# Altium PCB cheriot-test.PcbDoc (part 9 of 12) (continued)
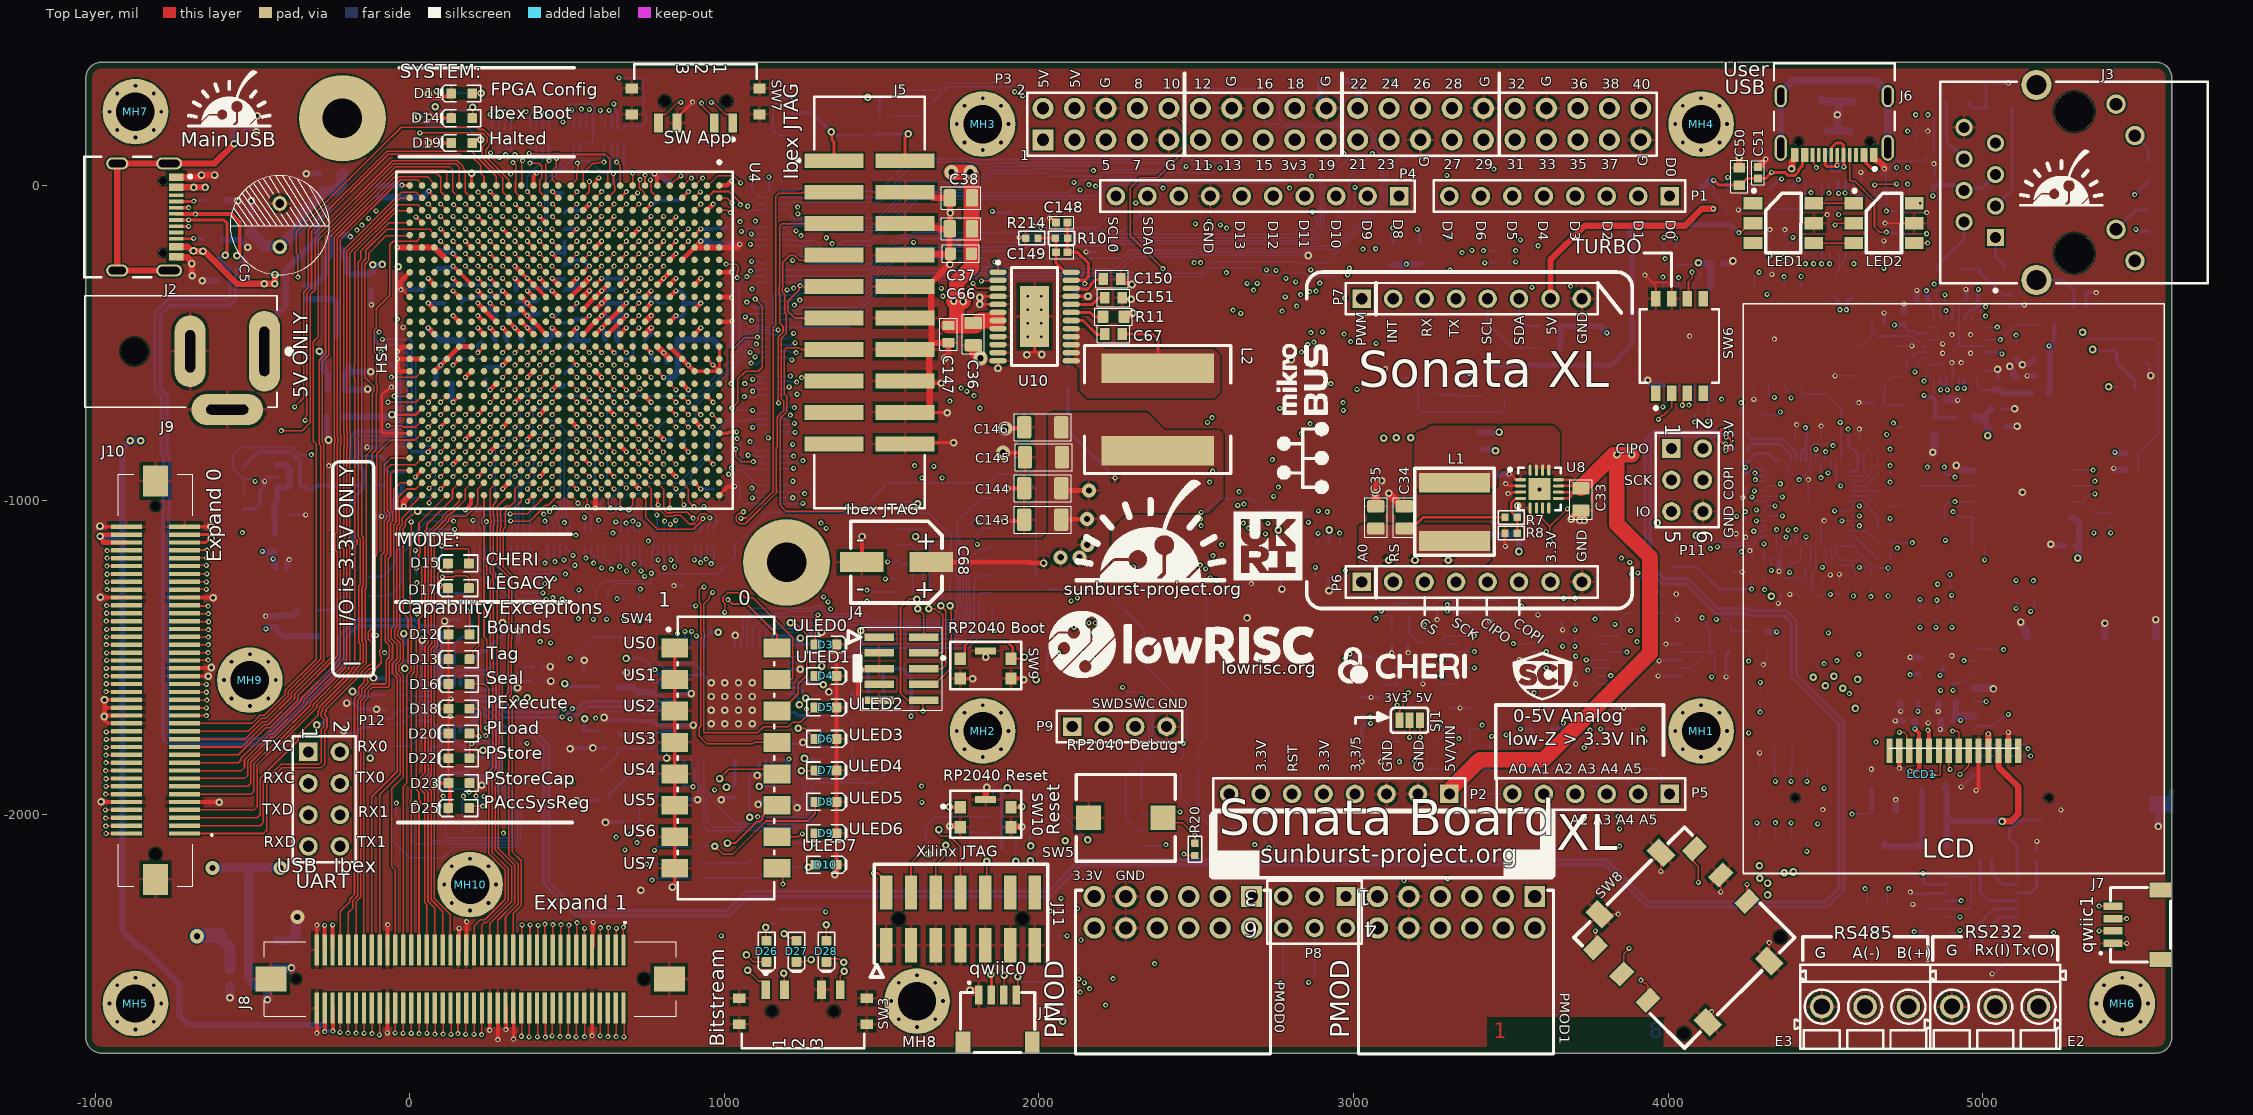
[diagram p0: Top Layer view]
## Nets (pads, with @x,y where several pads share a name; then routed paths per layer and width w, separated by ;. In a path a pad name is that pad's centre, name@x,y a point inside that pad or via, vN(x,y) a via of type N, cw(c..) or ccw(c..) an arc to the next point about the centre after c; other vN are vias at no path point) (continued)
  Bottom Layer w5: v1(1105,-482) 1107.25,-482 1113.01,-487.76 R172.4A@1131.85,-487.76
NetR173_1A: R173.1A U4.K21 | length 634.2
  Top Layer w5: U4.K21@629.92,-787.4 v1(649.61,-807.09)
  Int4 (Sign) w5: v1(649.61,-807.09) 673.48,-783.22 689,-783.22 705.46,-799.68 705.46,-806.12 727.34,-828 768.72,-828 791.59,-805.14 791.59,-800.67 840.04,-752.22 1007.78,-752.22 1020,-740 ; 1021,-741 1065,-697 1065,-672.78 v1(1063.61,-671.39) ; v1@1065,-671 v1@1068,-668
  Bottom Layer w5: v1(1063.61,-671.39) 1079.5,-671.39 1081.61,-673.5 1098.24,-673.5 1105.24,-666.5 R173.1A@1131.85,-666.5
NetR173_2A: R173.2A U4.J21 | length 908.5
  Top Layer w5: U4.J21@669.29,-787.4 v1(688.98,-807.09)
  Int4 (Sign) w5: v1(688.98,-807.09) v1@689.94,-808.06 ; v1@690,-808.06 690,-808.11 709,-827.11 709,-849.03 724.19,-864.22 728.66,-864.22 743.85,-879.41 743.85,-892.25 743.28,-892.81 743.28,-904.07 746.21,-907 813,-907 ; 813,-908 826.52,-921.52 826.52,-927.18 848.41,-949.07 852.88,-949.07 868.81,-965 902.84,-965 918.78,-949.07 931.62,-949.07 947.55,-965 1005.87,-965 1017.34,-953.53 1017.34,-949.71 1026.42,-940.63 1030.23,-940.63 1040.5,-930.37 1040.5,-920.35 1042.23,-918.62 1042.23,-870.84 1061.5,-851.56 1061.5,-849.82 1071.82,-839.5 1117.5,-839.5 1122,-835 1122,-779 ; v1(1090,-654) 1103.05,-667.05 1112.05,-667.05 1123,-678 1123,-779
  Bottom Layer w5: v1(1090,-654) 1090,-650 1093.19,-646.81 R173.2A@1131.85,-646.81
NetR173_3A: R173.3A U4.H21 | length 513
  Top Layer w5: U4.H21@708.66,-787.4 v1(728.35,-807.09)
  Int4 (Sign) w5: v1@731,-809 731,-804.43 746.72,-788.72 768.64,-788.72 830.96,-726.4 830.96,-721.93 848.41,-704.48 895.67,-704.48 935.04,-665.11 1029.89,-665.11 v1(1065,-630)
  Bottom Layer w5: v1(1065,-630) 1069.5,-634.5 1098.08,-634.5 1105.45,-627.13 R173.3A@1131.85,-627.13
NetR173_4A: R173.4A U4.H22 | length 697.7
  Top Layer w5: U4.H22@708.66,-826.77 v1(728.35,-846.46)
  Int4 (Sign) w5: v1(728.35,-846.46) 744.48,-862.59 813.14,-862.59 815.4,-860.33 877.78,-860.33 879.41,-861.96 892.25,-861.96 893.88,-860.33 1038.59,-860.33 1051.5,-847.42 1051.5,-845.68 1067.68,-829.5 1089.5,-829.5 1105.5,-813.5 1105.5,-775.56 1105.76,-775.3 1105.76,-762.46 1105.5,-762.2 1105.5,-691.42 1076.54,-662.46 ; 1076.57,-662.43 1073,-658.86 1073,-644.98 1080.5,-637.48 1080.5,-627.42 1090,-617.92 v1(1090,-616.5)
  Bottom Layer w5: v1(1090,-616.5) 1092.98,-616.5 1102.04,-607.44 R173.4A@1131.85,-607.44
NetR174_1A: R174.1A U4.G22 | length 493.1
  Top Layer w5: U4.G22@748.03,-826.77 v1(767.72,-846.46)
  Int4 (Sign) w5: v1(767.72,-846.46) 785.43,-846.46 809.3,-822.59 855.27,-822.59 878.86,-799 1003.46,-799 1007.36,-802.9 1039.45,-802.9 v1(1040.78,-804.24)
  Bottom Layer w5: v1(1040.78,-804.24) 1040.78,-804.73 1051.5,-815.44 1051.5,-881.5 1071.5,-901.5 R174.1A@1131.85,-901.5
NetR174_2A: R174.2A U4.H23 | length 496.6
  Top Layer w5: U4.H23@708.66,-866.14 v1(728.35,-885.83) ; v1@1038,-840 1036,-842 1036,-861 1052.9,-877.9 v1(1092.1,-877.9)
  Int1 (Sign) w5: v1(728.35,-885.83) 745.8,-885.83 761.3,-901.33 975.67,-901.33 1024.95,-852.05 1024.95,-848.7 v1(1036,-837.65)
  Bottom Layer w5: v1(1092.1,-877.9) 1093.52,-879.31 1107.6,-879.31 1110.1,-881.81 R174.2A@1131.85,-881.81
NetR174_3A: R174.3A U4.J23 | length 618
  Top Layer w5: U4.J23@669.29,-866.14 v1(688.98,-885.83)
  Int4 (Sign) w5: v1@692,-885 692,-888.85 708.6,-905.45 730.52,-905.45 748.03,-922.96 748.03,-927.43 761.3,-940.7 766,-940.7 ; 766,-941 800.97,-941 840.04,-980.07 852.88,-980.07 853.44,-979.5 918.21,-979.5 918.78,-980.07 931.62,-980.07 932.18,-979.5 1042.5,-979.5 1050.5,-971.5 1050.5,-924.49 1075.87,-899.12 v1(1075.87,-857.37)
  Bottom Layer w5: v1(1075.87,-857.37) 1076.95,-856.29 1093.87,-856.29 1099.7,-862.13 R174.3A@1131.85,-862.13
NetR174_4A: R174.4A U4.F22 | length 383.8
  Top Layer w5: U4.F22@787.03,-827.4 v1(806.72,-847.09)
  Int4 (Sign) w5: v1@808,-846 811,-849 843,-849 872.26,-819.74 1047.2,-819.74 1052.94,-814 v1(1081.78,-814)
  Bottom Layer w5: v1(1081.78,-814) 1081.78,-816.94 1091.27,-826.43 1091.27,-831.27 1102.44,-842.44 R174.4A@1131.85,-842.44
NetR175_1A: R175.1A U4.N16 | length 597.2
  Top Layer w5: U4.N16@511.81,-590.55 v1(531.5,-610.24)
  Int6 (Sign) w5: v1(430,-1067) 430,-1065.41 443.16,-1052.25 451.91,-1052.25 456.66,-1047.5 465.42,-1047.5 481.46,-1031.46 495.82,-1031.46 501,-1026.28 501,-617 507.76,-610.24 530.24,-610.24 v1@531,-611
  Bottom Layer w5: v1(430,-1067) 430,-1069.98 437.93,-1077.91 437.93,-1101.71 R175.1A@438.07,-1101.85
NetR175_2A: R175.2A U4.R14 | length 718
  Top Layer w5: v1(413.39,-531.5) U4.R14@433.07,-511.81
  Int6 (Sign) w5: v1(413.39,-531.5) 393,-551.88 393,-583 401,-591 465,-591 478.26,-604.26 478.26,-975.13 433.83,-1019.56 433.83,-1026.14 429.63,-1030.33 429.63,-1031.37 427.8,-1033.2 427.8,-1042.6 v1(425.69,-1044.71)
  Bottom Layer w5: v1(425.69,-1044.71) 428.67,-1044.71 435.46,-1051.5 436.42,-1051.5 451.28,-1066.36 453.3,-1066.36 457.76,-1070.82 R175.2A@457.76,-1101.85
NetR175_3A: R175.3A U4.P18 | length 573.5
  Top Layer w5: v1(452.76,-688.98) U4.P18@472.44,-669.29
  Bottom Layer w5: v1(452.76,-688.98) 432.73,-709 398,-709 392,-715 392,-782 400.5,-790.5 472.5,-790.5 478,-796 478,-1021 ; 476.5,-1021 476.5,-1029.42 474.5,-1031.42 474.5,-1038.42 471.1,-1041.82 471.1,-1045.98 465.5,-1051.58 465.5,-1064.42 472.71,-1071.64 472.71,-1073.92 477.44,-1078.65 R175.3A@477.44,-1101.85
NetR175_4A: R175.4A U4.M24 | length 260.1
  Top Layer w5: U4.M24@551.18,-905.51 v1(570.87,-925.2)
  Bottom Layer w5: R175.4A@497.13,-1101.85 497.13,-1094.96 507.42,-1084.67 507.42,-1064.68 503.57,-1060.83 503.57,-1058.65 498,-1053.08 498,-1028.7 502.44,-1024.26 502.44,-964.09 521.65,-944.88 551.18,-944.88 v1(570.87,-925.2)
NetR176_1A: R176.1A U4.E23 | length 411.9
  Top Layer w5: U4.E23@826.77,-866.14 v1(846.46,-885.83)
  Int4 (Sign) w5: v1(846.46,-885.83) 896.63,-936 1004.03,-936 1011.5,-928.53 1011.5,-919.89 v1(1013.6,-917.79)
  Bottom Layer w5: v1(1013.6,-917.79) 1013.6,-917.9 1036.34,-940.63 1039.26,-940.63 1048.34,-949.71 1048.34,-952.64 1049.5,-953.8 1049.5,-961.5 1050,-962 1050,-996 1066.13,-1012.13 R176.1A@1131.85,-1012.13
NetR176_2A: R176.2A U4.H24 | length 460.6
  Top Layer w5: U4.H24@708.66,-905.51 v1(728.35,-925.2)
  Int4 (Sign) w5: v1(728.35,-925.2) 766.15,-963 806.14,-963 815.14,-972 817.83,-972 835.89,-990.07 857.02,-990.07 857.59,-989.5 914.07,-989.5 914.63,-990.07 935.76,-990.07 936.33,-989.5 1070.96,-989.5 1073.46,-992 1088,-992 v1(1088.96,-992.96)
  Bottom Layer w5: v1(1088.96,-992.96) 1089.48,-992.44 R176.2A@1131.85,-992.44
NetR176_3A: R176.3A U4.J24 | length 578.5
  Top Layer w5: U4.J24@669.29,-905.51 v1(688.98,-925.2)
  Int4 (Sign) w5: v1(688.98,-925.2) 711.38,-947.6 736.61,-947.6 762,-973 802,-973 811,-982 813.69,-982 831.75,-1000.07 863.01,-1000.07 863.58,-999.5 909.93,-999.5 910.49,-1000.07 988.17,-1000.07 988.74,-999.5 1058.58,-999.5 1064.08,-1005 1079.08,-1005 1082.54,-1008.46 1095.38,-1008.46 1104.46,-999.38 1104.46,-972.62 1100.09,-968.25 1097.27,-968.25 1090.98,-961.96 v1(1088,-961.96)
  Bottom Layer w5: v1(1088,-961.96) 1090.26,-961.96 1100.09,-971.79 1103.63,-971.79 1104.6,-972.76 R176.3A@1131.85,-972.76
NetR176_4A: R176.4A U4.F23 | length 394.6
  Top Layer w5: U4.F23@787.4,-866.14 v1(807.09,-885.83)
  Int4 (Sign) w5: v1(807.09,-885.83) 809.35,-885.83 819.18,-876 834.36,-876 840.04,-870.33 873.63,-870.33 875.26,-871.96 896.39,-871.96 898.02,-870.33 988.33,-870.33 1006.72,-888.72 1010.25,-888.72 1020.18,-898.65 v1(1022.24,-898.65)
  Bottom Layer w5: v1(1022.24,-898.65) 1024.35,-900.75 1035.5,-900.75 1040.24,-905.5 1057.24,-905.5 1104.81,-953.07 R176.4A@1131.85,-953.07
NetR177_1A: R177.1A U4.L22 | length 1362.6
  Top Layer w5: U4.L22@590.55,-826.77 v1(610.24,-846.46)
  Int4 (Sign) w5: v1(610.24,-846.46) 632,-824.69 632,-763.4 643.19,-752.22 769.07,-752.22 820,-701.29 820,-694 ; 819.88,-694 819.88,-654.27 847.78,-626.37 1003.71,-626.37 1015.58,-614.5 1044.44,-614.5 1057.94,-601 1067.94,-601 1077.94,-591 1108.14,-591 1116.07,-583.08 1116.07,-571.21 1134.14,-553.14 ; v1(1049.99,-115) 1035,-130 1035,-179.08 1033.5,-180.58 1033.5,-193.42 1042.58,-202.5 1052.5,-202.5 1065,-215 1114,-215 1114,-296.32 1134,-316.32 1134,-553
  Bottom Layer w5: v1(1049.99,-115) 1087.87,-77.13 R177.1A@1132.13,-77.13
NetR177_2A: R177.2A U4.N14 | length 999.9
  Top Layer w5: U4.N14@511.81,-511.81 v1(531.5,-531.5)
  Int4 (Sign) w5: v1@530,-531 530,-530 518,-518 518,-504.14 533.89,-488.26 546.2,-488.26 566.2,-468.26 589.67,-468.26 599.67,-478.26 620.8,-478.26 622.05,-477 677.16,-477 678.41,-478.26 778.28,-478.26 779.53,-477 833.05,-477 881.96,-428.09 881.96,-427.19 907.5,-401.64 936.36,-401.64 966,-372 966,-263 1011,-218 1011,-117.86 1044.86,-84 1056,-84 v1(1074,-66)
  Bottom Layer w5: v1(1074,-66) 1074,-63.02 1083.18,-53.85 1083.18,-53.67 1087.69,-49.16 1092.53,-49.16 1100.81,-57.44 R177.2A@1132.13,-57.44
NetR177_3A: R177.3A U4.P14 | length 1192.8
  Top Layer w5: v1(452.76,-531.5) U4.P14@472.44,-511.81
  Int4 (Sign) w5: v1(452.76,-531.5) 469,-515.25 469,-472.32 499.32,-442 506.19,-442 591.19,-357 809,-357 827,-339 827,-102 830.5,-98.5 830.5,-93.58 839.58,-84.5 844.5,-84.5 852,-77 852,-15 864,-3 ; 864.58,-2.74 875.32,8 941.46,8 963.96,30.5 1045.8,30.5 1052.8,23.5 v1(1085,23.5)
  Bottom Layer w5: v1(1085,23.5) 1086.61,21.89 1086.61,-15.75 1108.62,-37.76 R177.3A@1132.13,-37.76
NetR177_4A: R177.4A U4.P16 | length 1342
  Top Layer w5: v1(452.76,-610.24) U4.P16@472.44,-590.55
  Int4 (Sign) w5: v1(452.76,-610.24) 452.76,-592.79 435,-575.03 435,-492 459,-468 ; 459.09,-468.09 522.56,-404.62 522.81,-404.62 586.37,-341.07 586.37,-336.6 610.96,-312 774,-312 785,-301 785,-91 801,-75 818,-75 ; 818,-74 820,-74 829,-65 829,-13.5 843,0.5 843,52 852,61 1108,61 v1(1142,27)
  Bottom Layer w5: R177.4A@1132.13,-18.07 1138.59,-18.07 1142,-14.67 v1(1142,27)
NetR178_1A: R178.1A U4.R1 | length 137.4
  Top Layer w5: U4.R1@433.07,0 433.07,66.66 442.91,76.5 v1(442.91,78.74)
  Bottom Layer w8: R178.1A@441.81,132.87 441.81,79.84 v1(442.91,78.74)
NetR178_2A: R178.2A U4.T2 | length 201.6
  Top Layer w5: v1(374.02,-19.69) U4.T2@393.7,-39.37
  Bottom Layer w5: v1(374.02,-19.69) 374.02,29.53 388.04,43.56 388.04,45.79 397.12,54.87 399.36,54.87 422.13,77.64 R178.2A@422.13,132.87
NetR178_3A: R178.3A U4.R2 | length 224.4
  Top Layer w5: v1(382,71) 410,71 420,61 420,23.96 413.39,17.35 413.39,-19.69 U4.R2@433.07,-39.37
  Bottom Layer w5: v1(382,71) 383.18,71 402.44,90.27 R178.3A@402.44,132.87
NetR178_4A: R178.4A U4.K1 | length 385.8
  Top Layer w5: v1(379.47,102) 380.55,100.93 394.97,100.93 397.47,98.43 456.5,98.43 459.58,101.5 472.42,101.5 475.5,98.43 622.31,98.43 635.58,85.16 635.58,47.92 629.92,42.27 U4.K1@629.92,0
  Bottom Layer w5: v1(379.47,102) 379.47,104.98 383.31,108.81 383.31,132.32 R178.4A@382.76,132.87
NetR179_1A: R179.1A U4.N19 | length 966.7
  Top Layer w5: U4.N19@511.81,-708.66 v1(531.5,-728.35)
  Int1 (Sign) w5: v1(531.5,-728.35) 547,-712.85 573.15,-712.85 591,-695 591,-599.93 603.93,-587 991.72,-587 1008.72,-570 1032,-570 1047,-555 1047,-373.14 1088.17,-331.97 v1(1088.17,-329.31)
  Bottom Layer w5: v1(1088.17,-329.31) 1110.35,-307.13 R179.1A@1132.13,-307.13
NetR179_2A: R179.2A U4.R21 | length 1306.1
  Top Layer w5: v1(413.39,-807.09) U4.R21@433.07,-787.4
  Bottom Layer w5: v1(413.39,-807.09) 392.47,-828 363,-828 351,-816 351,-680 362,-669 907.63,-669 1046.82,-529.81 1046.82,-314.32 1071,-290.15 v1@1071,-290 ; v1@1073.7,-287.44 R179.2A@1132.13,-287.44
  other v1: 1071.65,-289.5
NetR179_3A: R179.3A U4.M21 | length 1084.4
  Top Layer w5: U4.M21@551.18,-787.4 v1(570.87,-807.09)
  Int4 (Sign) w5: v1(570.87,-807.09) 570.87,-789.64 592.58,-767.92 592.58,-763.45 606.92,-749.11 611.39,-749.11 633.97,-726.53 633.97,-722.06 651.49,-704.55 707.85,-704.55 716.15,-712.85 787.07,-712.85 807,-692.92 807,-653 844,-616 866.61,-616 866.98,-616.37 993.92,-616.37 999.28,-611 1004.28,-611 1014.28,-601 1043.8,-601 1053.8,-591 1063.1,-591 1073.1,-581 1104,-581 1106.07,-578.93 1106.07,-567.07 1123.93,-549.21 1123.93,-320.39 1092.44,-288.9 1092.44,-283.37 1083.97,-274.9 v1(1083.97,-271.92)
  Bottom Layer w5: v1(1083.97,-271.92) 1107.08,-271.92 1111.24,-267.76 R179.3A@1132.13,-267.76
NetR179_4A: R179.4A U4.P23 | length 1225.2
  Top Layer w5: v1(452.76,-885.83) U4.P23@472.44,-866.14
  Int4 (Sign) w5: v1(452.76,-885.83) 475.79,-862.79 ; 475,-862 498.14,-838.86 498.14,-607.53 516,-589.67 516,-564.45 533.45,-547 537.92,-547 548.46,-536.45 548.46,-506 ; 549,-506 566.74,-488.26 624.94,-488.26 626.2,-487 673.02,-487 674.27,-488.26 782.42,-488.26 783.68,-487 837.28,-487 839.28,-485 926.86,-485 954,-457.86 954,-457 976,-435 976,-301.29 1017.42,-259.87 1030.75,-259.87 1049.7,-240.92 v1(1086.61,-240.92)
  Bottom Layer w5: v1(1086.61,-240.92) 1086.92,-241.23 1107.23,-241.23 1114.07,-248.07 R179.4A@1132.13,-248.07
NetR180_1A: R180.1A U4.L2 | length 216.9
  Top Layer w5: U4.L2@590.55,-39.37 v1(610.24,-19.69)
  Bottom Layer w5: v1(610.24,-19.69) 632.88,2.96 644.96,2.96 681.18,39.18 R180.1A@681.18,132.87
NetR180_2A: R180.2A U4.J1 | length 139.1
  Top Layer w5: v1(657.93,74.5) 669.29,63.14 U4.J1@669.29,0
  Bottom Layer w5: v1(657.93,74.5) 657.97,74.54 657.97,93.86 660.47,96.36 660.47,131.85 R180.2A@661.5,132.87
NetR180_3A: R180.3A U4.N1 | length 297.1
  Top Layer w5: U4.N1@511.81,0 531.5,19.68 531.5,49.21 535.21,52.93 535.21,57.07 534.96,57.33 534.96,68.83 v1(532.85,70.93)
  Bottom Layer w5: v1(532.85,70.93) 535.83,70.93 543.64,78.74 571.92,78.74 613.66,37 624.91,37 640,52.09 640,89.84 641.81,91.65 R180.3A@641.81,132.87
NetR180_4A: R180.4A U4.M1 | length 180.1
  Top Layer w5: U4.M1@551.18,0 551.18,39.18 583,71 598.93,71 601.43,73.5 615.93,73.5 v1(616.93,74.5)
  Bottom Layer w5: v1(616.93,74.5) 616.93,96.83 619.1,99 619.1,129.85 R180.4A@622.13,132.87
NetR181_1A: R181.1A U4.T22 | length 418.7
  Top Layer w5: v1(374.02,-846.46) U4.T22@393.7,-826.77
  Int6 (Sign) w5: v1(201.5,-1064.48) 200,-1062.98 200,-1044 220,-1024 326,-1024 354,-996 354,-866.47 v1(374.02,-846.46)
  Bottom Layer w5: v1(201.5,-1064.48) 202.29,-1065.27 202.29,-1101.07 R181.1A@203.07,-1101.85
NetR181_2A: R181.2A U4.R26 | length 302.5
  Top Layer w5: v1@321,-1045 322,-1044 373.32,-1044 U4.R26@433.07,-984.25 413.39,-1003.94
  Bottom Layer w5: R181.2A@223,-1096 223,-1062 239,-1046 317,-1046 v1(319,-1044)
NetR181_3A: R181.3A U4.R17 | length 689.8
  Top Layer w5: v1(413.39,-649.61) U4.R17@433.07,-629.92
  Int6 (Sign) w5: v1@244,-1069 244,-1101 254,-1111 344,-1111 388.39,-1066.61 388.39,-1031.81 396,-1024.2 396,-666.99 411.39,-651.6 411.39,-649.61 v1(413.39,-649.61)
  Bottom Layer w5: R181.3A@242.44,-1101.85 242.44,-1069.56 v1(244,-1068)
NetR181_4A: R181.4A U4.P26 | length 277.7
  Top Layer w5: v1(320.89,-1066) 321.89,-1067 382.08,-1067 410.19,-1038.88 410.19,-1038.29 431.85,-1016.63 435.64,-1016.63 ; 435.67,-1016.6 440.09,-1016.6 U4.P26@472.44,-984.25
  Bottom Layer w5: R181.4A@262.13,-1101.85 262.13,-1072.02 268.14,-1066 v1(320.89,-1066)
NetR182_1A: R182.1A U4.N22 | length 1004
  Top Layer w5: U4.N22@511.81,-826.77 v1(531.5,-846.46)
  Int4 (Sign) w5: v1@530,-849 530,-844.96 508.23,-823.2 508.23,-611.58 528.16,-591.65 532.63,-591.65 552.72,-571.56 552.72,-567.09 572.82,-547 577.29,-547 591,-533.28 591,-501.18 593.93,-498.26 629.08,-498.26 630.34,-497 668.87,-497 670.13,-498.26 786.56,-498.26 787.82,-497 929,-497 965,-461 1066.56,-461 1084.45,-443.11 1084.45,-431.24 v1(1086.55,-429.13)
  Bottom Layer w5: v1(1086.55,-429.13) 1088.56,-427.13 R182.1A@1132.13,-427.13
NetR182_2A: R182.2A U4.L25 | length 979.6
  Top Layer w5: U4.L25@590.55,-944.88 v1(610.24,-964.57)
  Bottom Layer w5: v1@613.83,-965.83 613.83,-960.97 628,-946.8 628,-719 640,-707 889.72,-707 901.33,-695.4 901.33,-694.53 1056.82,-539.04 1056.82,-429.14 1066.93,-419.03 v1(1066.93,-417.32) 1076.81,-407.44 R182.2A@1132.13,-407.44
NetR182_3A: R182.3A U4.M20 | length 947.5
  Top Layer w5: U4.M20@551.18,-748.03 v1(570.87,-767.72)
  Int4 (Sign) w5: v1(570.87,-767.72) 590,-748.58 590,-603 602.5,-590.5 ; 603,-591 711.52,-591 717.78,-584.74 757.15,-584.74 778.89,-563 786.67,-563 792.67,-557 817.65,-557 851.65,-523 1012.34,-523 1039.34,-496 1053.48,-496 1068.48,-481 1074.84,-481 1112.05,-443.79 1112.05,-437.43 1113.93,-435.55 1113.93,-413.14 v1(1071.42,-370.64)
  Bottom Layer w5: v1(1071.42,-370.64) 1088.54,-387.76 R182.3A@1132.13,-387.76
NetR182_4A: R182.4A U4.L23 | length 1009.6
  Top Layer w5: U4.L23@590.55,-866.14 v1(610.24,-885.83) ; v1(1023.66,-707.66) 1043,-688.32 1043,-615 1068,-590 1108,-590 1120.5,-577.5 1120.5,-383.03 v1@1098.47,-361
  Int1 (Sign) w5: v1(610.24,-885.83) 610.24,-868.38 625.74,-852.88 625.74,-809.04 651.56,-783.22 852.88,-783.22 866.14,-769.95 866.14,-765.48 887.78,-743.85 978.15,-743.85 996.02,-725.98 1005.34,-725.98 v1(1023.66,-707.66)
  Bottom Layer w5: v1(1098.38,-360.91) 1103.52,-360.91 1110.68,-368.07 R182.4A@1132.13,-368.07
NetR183_1A: R183.1A U4.P15 | length 1343.5
  Top Layer w5: v1(452.76,-570.87) U4.P15@472.44,-551.18
  Int4 (Sign) w5: v1@456,-570 456,-567.62 482.6,-541.03 482.6,-479.74 571.33,-391 851,-391 907.75,-334.25 907.75,-258.25 956,-210 956,-100 947,-91 947,-42.5 970,-19.5 1101.64,-19.5 1129,-46.86 1129,-138.72 1086.21,-181.51 1086.21,-182.82 1083,-186.02 v1(1083,-187.31)
  Bottom Layer w5: v1(1083,-187.31) 1085.1,-189.42 1098.29,-189.42 1101,-192.13 R183.1A@1132.13,-192.13
NetR183_2A: R183.2A U4.P19 | length 1415.6
  Top Layer w5: v1(452.76,-728.35) U4.P19@472.44,-708.66
  Int4 (Sign) w5: v1(452.76,-728.35) v1@453.05,-728.05 ; v1@454,-728.05 454,-727.1 475.05,-706.05 475.05,-583.41 496,-562.47 496,-497.86 525.6,-468.26 537.92,-468.26 574.17,-432 849.76,-432 861.96,-419.81 861.96,-418.9 896.1,-384.76 896.1,-381.19 946,-331.29 946,-248 968.64,-225.36 968.64,-101.36 986.32,-83.68 986.32,-52.68 1004,-35 ; 1005.43,-35.43 1011.36,-29.5 1095.18,-29.5 1116,-50.32 1116,-121.66 1086,-151.66 v1(1086,-154)
  Bottom Layer w5: v1(1086,-154) 1088.1,-156.1 1088.1,-166.84 1093.7,-172.44 R183.2A@1132.13,-172.44
NetR183_3A: R183.3A U4.M19 | length 1404.6
  Top Layer w5: U4.M19@551.18,-708.66 v1(570.87,-728.35)
  Int4 (Sign) w5: v1(570.87,-728.35) 551,-708.48 551,-608.18 572.18,-587 574,-587 574.63,-586.37 577.29,-586.37 590.55,-573.1 590.55,-568.63 606.18,-553 782.53,-553 788.53,-547 813.51,-547 847.5,-513 1008.2,-513 1035.2,-486 1049.34,-486 1064.34,-471 1070.7,-471 1102.05,-439.65 1102.05,-422.71 1078.94,-399.61 1078.47,-399.61 1055.37,-376.5 1055.37,-300.55 1056.15,-299.77 1056.15,-286.58 1055.37,-285.8 1055.37,-266.63 1070.28,-251.72 1075.49,-251.72 1080.19,-256.42 1093.03,-256.42 1102.11,-247.34 1102.11,-242.64 1102.11,-229.8 1097.31,-225 1056,-225 1050.02,-219.02 1043.5,-212.5 1038.44,-212.5 1023.5,-197.56 1023.5,-192.5 1022,-191 1022,-121.08 1034.49,-108.59 1043.57,-99.5 1056.42,-99.5 1065.49,-108.57 1065.49,-121.43 1056.1,-130.82 1056.1,-143.9 v1(1054,-146)
  Bottom Layer w5: v1(1054,-146) 1056.1,-143.9 1068.27,-143.9 1074.66,-137.5 1091.86,-137.5 1107.12,-152.76 R183.3A@1132.13,-152.76
NetR183_4A: R183.4A U4.P21 | length 1430.9
  Top Layer w5: v1(452.76,-807.09) U4.P21@472.44,-787.4
  Int4 (Sign) w5: v1(452.76,-807.09) 488.14,-771.7 488.14,-584.47 506,-566.61 506,-502 529.74,-478.26 542.06,-478.26 562.06,-458.26 593.82,-458.26 603.82,-468.26 616.66,-468.26 617.91,-467 681.3,-467 682.56,-468.26 774.14,-468.26 776.39,-466 829,-466 850.03,-444.97 850.93,-444.97 871.96,-423.95 871.96,-423.04 905.48,-389.52 934.34,-389.52 956,-367.86 956,-258.86 985.5,-229.36 985.5,-98.64 997.25,-86.89 997.25,-85.83 1009,-74.08 1009,-61.92 1008.5,-61.42 1008.5,-46.5 1015,-40 ; 1017.58,-39.5 1091.04,-39.5 1093.97,-42.43 1093.97,-48.49 1100.5,-55.02 1100.5,-76.98 1093.97,-83.51 1093.97,-94.94 1097.05,-98.03 1097.05,-110.84 v1(1099.16,-112.94)
  Bottom Layer w5: v1(1099.16,-112.94) 1098.65,-113.46 1098.65,-130.14 1101.57,-133.07 R183.4A@1132.13,-133.07
NetR184_1A: R184.1A U4.U4 | length 1002.2
  Top Layer w5: v1(334.65,-98.43) U4.U4@354.33,-118.11
  Int3 (Sign) w5: v1(321,36) 321,-37.94 310.78,-48.16 310.78,-71.84 321,-82.06 321,-84.78 v1(334.65,-98.43)
  Int4 (Sign) w5: v1(321,36) 297.95,59.05 255.43,59.05 241.5,72.98 241.5,110.42 252.5,121.42 252.5,166.36 240.41,178.45 240.41,232.8 258.11,250.5 450.57,250.5 453.5,247.57 453.5,235.5 v1(487,202)
  Bottom Layer w5: v1@487,204 487,233.92 511.58,258.5 576.42,258.5 586.5,248.42 586.5,235.58 582.4,231.48 582.4,135.53 579.47,132.6 R184.1A@561.5,132.6
NetR184_2A: R184.2A U4.R6 | length 390.8
  Top Layer w8: v1(413.39,-177.17) U4.R6@433.07,-196.85
  Bottom Layer w5: v1(413.39,-177.17) 414.42,-176.13 414.42,-166.28 433.07,-147.64 433.07,-114.8 438.89,-108.99 438.89,5.81 462.6,29.53 541.81,108.74 R184.2A@541.81,132.6
NetR184_3A: R184.3A U4.R5 | length 343.3
  Top Layer w5: v1(413.39,-137.8) U4.R5@433.07,-157.48
  Bottom Layer w5: v1(413.39,-137.8) 413.39,-120.35 428.89,-104.85 428.89,15.5 433.07,19.68 522.13,108.74 R184.3A@522.13,132.6
NetR185_1A: R185.1A U4.T24 | length 406.9
  Top Layer w5: v1(374.02,-925.2) U4.T24@393.7,-905.51
  Bottom Layer w5: 319,-943 319,-907.93 321.93,-905 346,-905 355,-896 355,-872 361,-866 389,-866 395,-872 395,-888.83 383.89,-899.94 383.89,-913.15 v1@372.03,-925 ; 320,-943 335,-958 335,-1020.78 336.39,-1022.17 336.39,-1072.42 335,-1073.81 335,-1074 325.53,-1083.47 325.53,-1098.44 R185.1A@322.13,-1101.85
NetR185_2A: R185.2A U4.T23 | length 260.4
  Top Layer w5: v1@374,-885 374.84,-885 U4.T23@393.7,-866.14
  Bottom Layer w5: R185.2A@341.81,-1101.85 341.81,-1081.33 346.39,-1076.75 346.39,-1018.03 345,-1016.64 345,-951.86 354.15,-942.72 354.15,-915.54 376.87,-892.82 376.87,-888.68 v1(374.02,-885.83)
NetR185_3A: R185.3A U4.R23 | length 280
  Top Layer w5: v1(413.39,-885.83) U4.R23@433.07,-866.14
  Bottom Layer w5: R185.3A@361.5,-1101.85 361.5,-1018.99 355,-1012.5 355,-956.01 366.22,-944.79 382,-944.79 393.89,-932.9 393.89,-905.33 v1(413.39,-885.83)
NetR185_4A: R185.4A U4.T25 | length 180.5
  Top Layer w5: v1@372,-965 373.58,-965 U4.T25@393.7,-944.88
  Bottom Layer w5: v1(374.02,-964.57) 393.52,-984.07 393.52,-1034.21 381.18,-1046.55 R185.4A@381.18,-1101.85
NetR186_1: R186.1 U4.J26 | length 2867.9
  Top Layer w5: U4.J26@669.29,-984.25 669.65,-984.61 669.65,-1025.65 v1(670,-1026)
  Bottom Layer w5: v1(670,-1026) 670,-1026.25 694.09,-1050.34 722.16,-1050.34 774.5,-1102.68 774.5,-1156.5 771,-1160 771,-1211 794.93,-1234.93 799.07,-1234.93 800,-1234 979,-1234 1034,-1179 1034,-1144 1128,-1050 1128,-1041.93 1130.93,-1039 1425,-1039 1508,-956 1508,-950 1513.2,-944.8 1841.2,-944.8 1868,-918 1944,-918 1990,-964 1990,-1244 2030,-1284 2206,-1284 2336,-1414 2336,-1524 2472,-1660 2472,-1760.36 v1(2459.06,-1773.31) v1(2459.06,-1773.31) v1@2459,-1774 ; R186.1@2451.18,-1824.49 2458.59,-1817.08 v1@2458.59,-1774
NetR187_1: R187.1 U4.L19 | length 3128.5
  Top Layer w5: U4.L19@590.55,-708.66 v1(610.24,-728.35)
  Int1 (Sign) w5: v1(610.24,-728.35) 631.58,-707 900,-707 1017,-590 1284,-590 1353.5,-659.5 1727.56,-659.5 1740.06,-672 1785,-672 1790,-667 1793,-667 v1(1794,-668)
  Int4 (Sign) w5: v1(1794,-668) 1794.92,-668 1833,-706.08 1833,-1155.36 1865.95,-1188.3 1865.95,-1199.8 1909.43,-1243.29 1999.29,-1243.29 2030.58,-1212 v1(2300,-1212)
  Bottom Layer w5: v1(2300,-1212) 2432,-1212 2531.27,-1311.27 2531.27,-1752.27 2506.3,-1777.24 R187.1@2506.3,-1824.49
NetR188_1A: R188.1A U4.R25 | length 286.4
  Top Layer w5: v1(413.39,-964.57) U4.R25@433.07,-944.88
  Int4 (Sign) w5: v1(413.39,-964.57) v1@415.41,-966.59 ; v1@414,-968 413.39,-968.61 413.39,-1006.46 416.31,-1009.39 452.69,-1009.39 454.58,-1007.5 467.42,-1007.5 476.5,-1016.58 476.5,-1025.99 505.51,-1055 v1(555,-1055)
  Bottom Layer w5: v1(555,-1055) 555.14,-1055 558.07,-1057.93 R188.1A@558.07,-1101.85
NetR188_2A: R188.2A U4.N26 | length 146
  Top Layer w5: U4.N26@511.81,-984.25 535,-1007.44 v1(535,-1010)
  Bottom Layer w5: v1(535,-1010) 549.5,-1024.5 549.5,-1026.42 558.58,-1035.5 560.5,-1035.5 577.76,-1052.76 R188.2A@577.76,-1101.85
NetR188_3A: R188.3A U4.R16 | length 818.2
  Top Layer w5: v1(413.39,-610.24) U4.R16@433.07,-590.55
  Int6 (Sign) w5: v1(413.39,-610.24) 431,-627.85 431,-660 441,-670 455.7,-670 468.26,-682.56 468.26,-970.99 421,-1018.24 421,-1024.82 419,-1026.82 419,-1027.86 416.25,-1030.61 416.25,-1032.23 408.39,-1040.09 408.39,-1073.93 417.65,-1083.19 435.73,-1083.19 461.42,-1057.5 469.56,-1057.5 485.06,-1042 517.67,-1042 546.17,-1070.5 561.5,-1070.5 573,-1059 ; 573.42,-1058.5 582.31,-1058.5 585.2,-1061.4 598.18,-1061.4 v1(600.28,-1063.5)
  Bottom Layer w5: R188.3A@597.44,-1101.85 597.44,-1081.5 599.94,-1079 599.94,-1063.84 v1(600.28,-1063.5)
NetR188_4A: R188.4A U4.R22 | length 483.7
  Top Layer w5: v1(413.39,-846.46) U4.R22@433.07,-826.77
  Int4 (Sign) w5: v1(413.39,-846.46) 435,-868.07 435,-968.73 463.77,-997.5 471.56,-997.5 486.5,-1012.44 486.5,-1020.23 505.77,-1039.5 561.42,-1039.5 570.5,-1048.58 570.5,-1086.5 589,-1105 v1(646,-1105)
  Bottom Layer w5: R188.4A@616,-1106 617,-1105 v1(646,-1105)
NetR189_1A: R189.1A U4.R18 | length 782.9
  Top Layer w5: v1(413.39,-688.98) U4.R18@433.07,-669.29
  Int6 (Sign) w5: v1(413.39,-688.98) 428.89,-704.48 428.89,-970.99 409,-990.87 409,-1023.72 406.25,-1026.47 406.25,-1028.09 398.39,-1035.95 398.39,-1083.96 407.62,-1093.19 439.87,-1093.19 465.56,-1067.5 473.7,-1067.5 489.2,-1052 513.53,-1052 542.03,-1080.5 605.2,-1080.5 617.7,-1068 654,-1068 v1(655,-1069)
  Bottom Layer w5: v1(655,-1069) 657.1,-1071.1 667.16,-1071.1 672.76,-1076.7 R189.1A@672.76,-1101.85
NetR189_2A: R189.2A U4.M26 | length 244.3
  Top Layer w5: U4.M26@551.18,-984.25 565,-998.07 565,-1019.59 v1(565.55,-1020.14)
  Int4 (Sign) w5: v1(565.55,-1020.14) 565.55,-1022.61 580.5,-1037.56 580.5,-1065.64 599.36,-1084.5 676.5,-1084.5 v1(688,-1073)
  Bottom Layer w5: v1(688,-1073) 690.1,-1075.1 690.1,-1099.51 R189.2A@692.44,-1101.85
NetR189_3A: R189.3A U4.P25 | length 369.6
  Top Layer w5: v1(452.76,-964.57) U4.P25@472.44,-944.88
  Int4 (Sign) w5: v1@452,-964 481,-964 504,-987 517.87,-987 525.37,-994.5 550.59,-994.5 558.2,-1002.1 583.42,-1002.1 591.39,-1010.07 596.84,-1010.07 606.78,-1020.01 606.78,-1026.35 613.5,-1033.06 613.5,-1036.13 628.44,-1051.07 631.5,-1051.07 633.94,-1053.5 683.1,-1053.5 687.1,-1057.5 697.24,-1057.5 706.3,-1066.57 v1(709.28,-1066.57)
  Bottom Layer w5: v1(709.28,-1066.57) 710.05,-1067.33 710.05,-1082.07 712.13,-1084.15 R189.3A@712.13,-1101.85
NetR189_4A: R189.4A U4.N17 | length 687.7
  Top Layer w5: U4.N17@511.81,-629.92 v1(531.5,-649.61)
  Int6 (Sign) w5: 511.64,-1010 511.64,-657.36 517.29,-651.71 529.39,-651.71 v1(531.5,-649.61) ; 512,-1010 527.5,-1025.5 547,-1025.5 561,-1039.5 582.48,-1039.5 590.98,-1048 722.92,-1048 725.85,-1050.93 725.85,-1075.95 v1(727.28,-1077.38)
  Bottom Layer w5: v1(727.28,-1077.38) 729.39,-1079.49 729.39,-1099.43 R189.4A@731.81,-1101.85